# Altium PCB Urukul.PcbDoc (part 12 of 12)
Units mm, origin at the board's own origin, x right, y up, seen from the top; angles counter-clockwise.
Board outline 160.99 x 100 mm, 6 copper layers (L1, P2, L3, L4, P5, L6), stack 1.648 mm thick; 971 components, 541 nets, 3373 pads, 2358 vias.
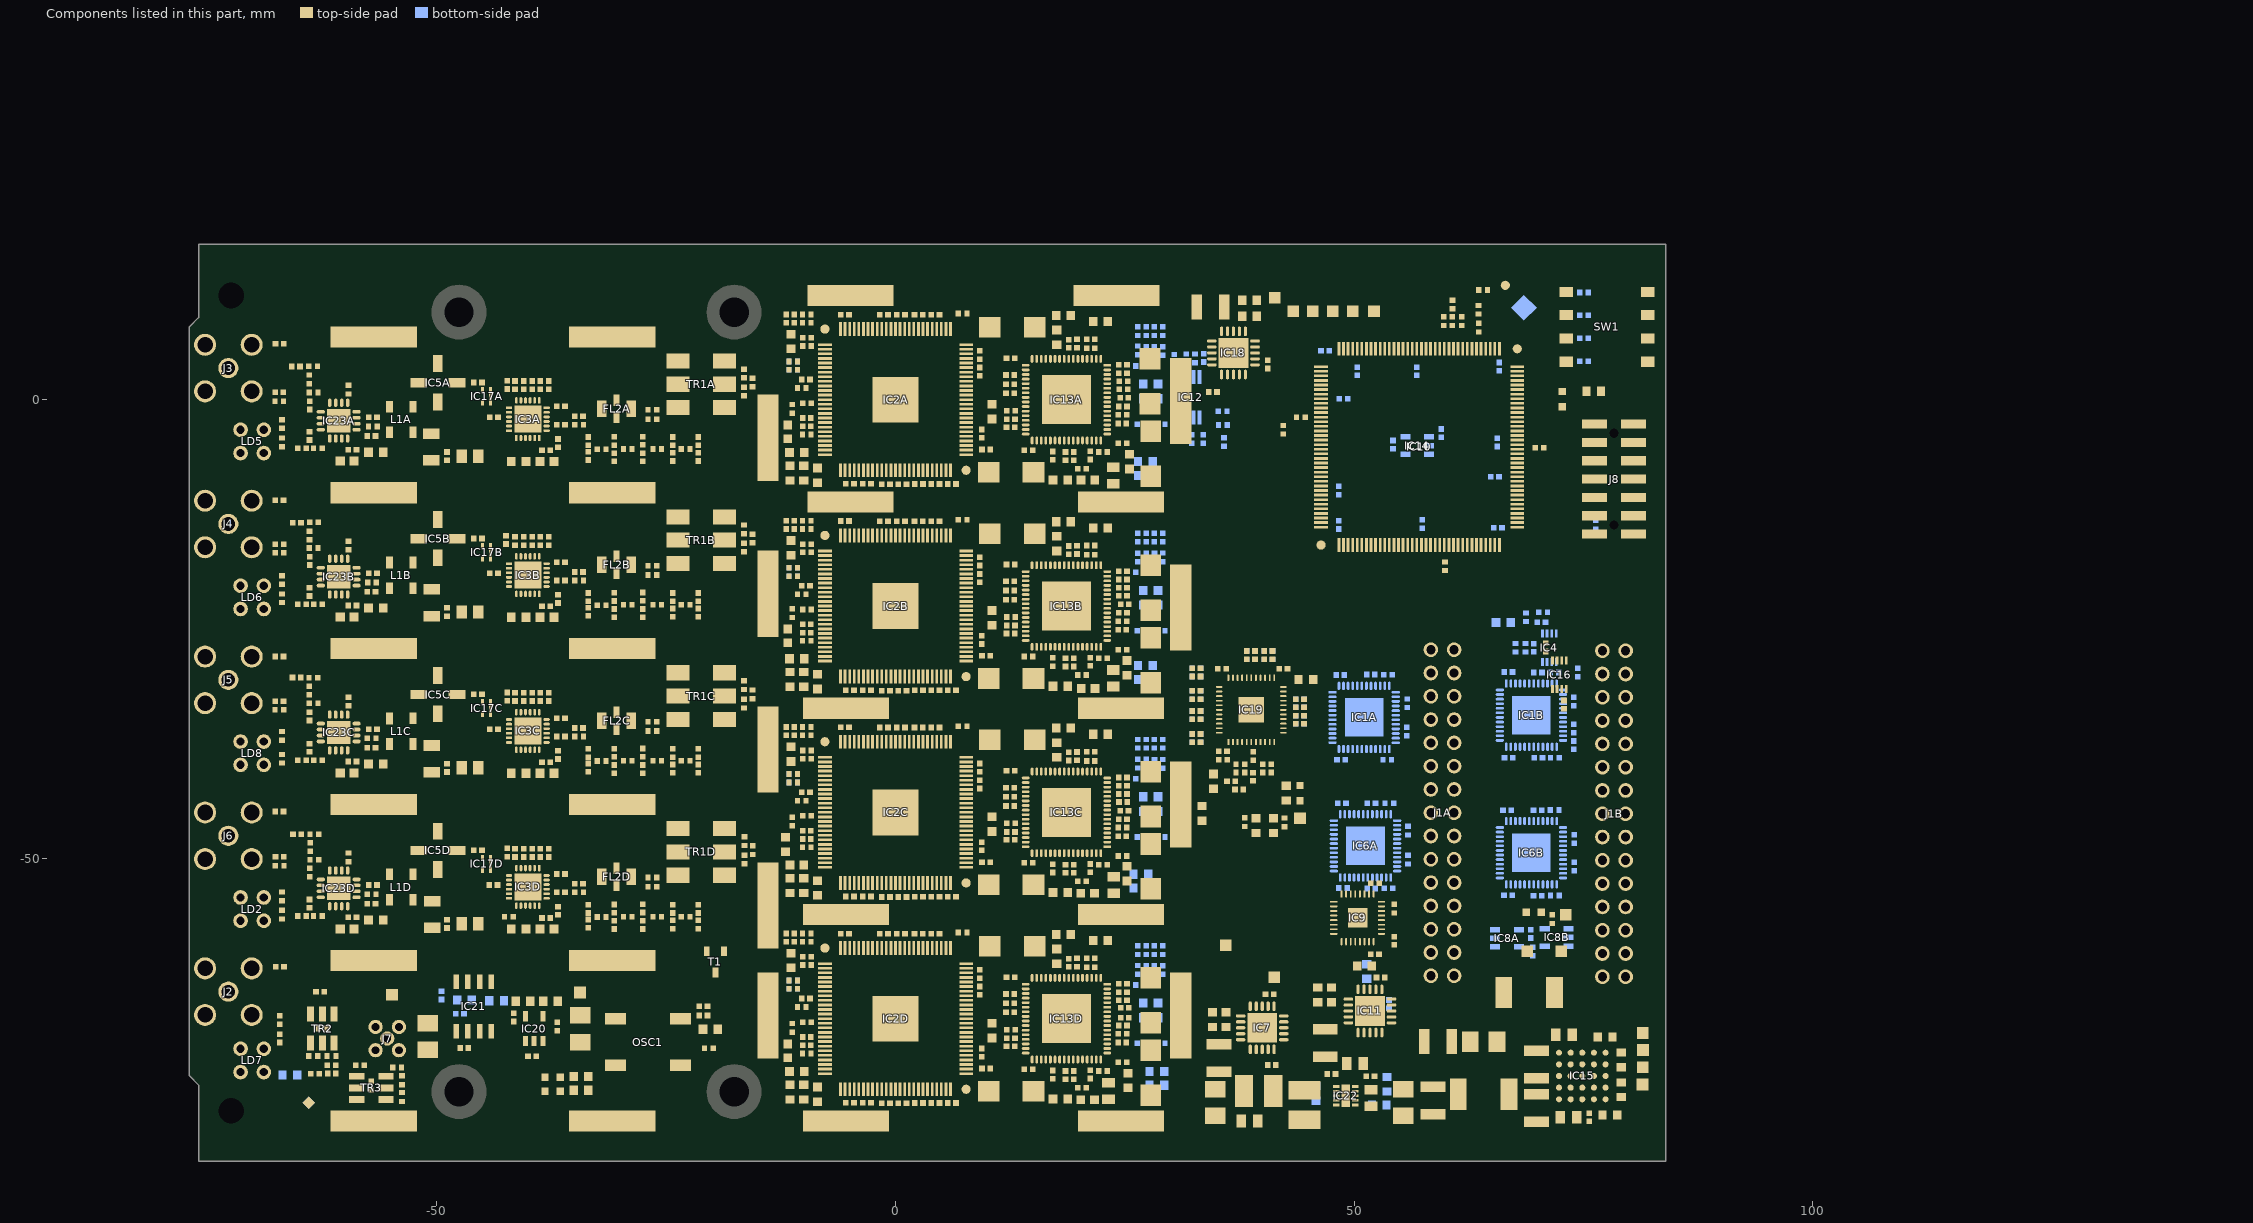
[diagram p16: the components of this part, seen from the top]

## Other copper (continued)
L6:
  rectangle net P3V3: 60.047,-5.95 60.83,-2.768
  rectangle net LVDS1B_P: 72.209,-32.786 72.463,-32.532
  rectangle net EEM1_2: 66.138,-35.758 66.596,-35.153
  rectangle net EEM0_4: 46.89,-46.403 47.06,-45.805
  rectangle net EEM0_5: 46.949,-47.961 47.241,-47.403
  rectangle net EEM0_4: 46.89,-46.403 47.241,-45.74
  rectangle net EEM0_6: 48.13,-50.007 48.79,-49.403
  rectangle net EEM0_3: 46.89,-37.318 47.393,-36.901
  rectangle net S1A: 27.175,5.898 27.556,6.828
  rectangle net S4A: 27.988,5.897 28.394,6.863
  rectangle net S3A: 28.877,5.974 29.359,6.816
  rectangle net S1B: 27.124,-16.623 27.581,-15.641
  rectangle net S4B: 28.013,-16.53 28.47,-15.666
  rectangle net S3B: 28.927,-16.603 29.334,-15.666
  rectangle net S1D: 27.124,-61.616 27.556,-60.701
  rectangle net S4D: 28.013,-61.653 28.225,-60.701
  rectangle net S3D: 28.978,-61.653 29.359,-60.701
  rectangle net DAC_OUTRD_N: 21.282,-63.539 21.514,-63.495
  rectangle net DAC_OUTRD_P: 21.89,-63.745 22.007,-63.469
  rectangle net P3V3: 52.346,-30.576 52.676,-30.246
  rectangle net GND: 72.006,-79.751 73.301,-79.293
  rectangle net P3V3: 66.088,4.298 66.25,4.597
  rectangle net P3V3: 70.583,-45.207 70.812,-44.886
  rectangle net P3V3: 70.6,-53.953 70.787,-53.665
  rectangle net NetC73_2: 71.777,-75.915 72.488,-75.356
  rectangle net GND: -2.9,-4.153 4.6,2.847
  rectangle net GND: -2.9,-26.653 4.6,-19.653
  rectangle net GND: -2.9,-49.153 4.6,-42.153
  rectangle net GND: -2.9,-71.653 4.6,-64.653
  rectangle net GND: 16.256,-2.54 21.082,2.286
  rectangle net GND: 16.256,-25.04 21.082,-20.214
  rectangle net GND: 16.256,-47.54 21.082,-42.714
  rectangle net GND: 16.256,-70.04 21.082,-65.214
  rectangle net P1V8A: 50.19,-63.678 50.749,-62.992
P2 (plane layer: these items are gaps in the copper):
  lines w0.254: 23.75,-59.803 24,-60.053 29.5,-60.053 29.75,-59.803 29.75,6.697 31.5,8.447 31.5,9.697 31.5,9.947 30.75,10.697 25,10.697 23.75,9.447 23.75,-59.803

## Silkscreen, mask and mechanical layers (free items; w line width, h text height)
Top Overlay:
  drawing of 1251 lines, arcs and shapes, not listed
  text "AD9910" at 57.807,12.552 h0.89
  text "P1V8A" at 39.637,12.33 h0.76
  text "TP4" at 51.067,11.009 h0.76
  text "TP2" at 46.571,10.933 h0.76
  text "TP0" at 42.507,10.856 h0.76
  text "RF OUT 0" at -68.44,8.139 h0.76
  text "TP3" at 48.857,7.707 h0.76
  text "TP1" at 44.641,7.605 h0.76
  text "MODE" at 71.844,6.869 h0.76 r90
  text "P3V3_MP" at 71.895,-2.707 h0.76 r90
  text "RF OUT 1" at -68.415,-8.854 h0.76
  text "JTAG" at 73.597,-11.216 h1.52 r90
  text "Urukul v1.1" at 33.782,-19.75 h1.5
  text "EEM 1" at 74.943,-19.954 h1.52
  text "EEM 0" at 61.036,-21.438 h1.52
  text "WUT ISE 2018" at 34.849,-22.606 h1.02
  text "RF OUT 2" at -68.516,-25.872 h0.76
  text "RF OUT 3" at -69.151,-42.865 h0.76
  text "MMCX" at 37.859,-43.906 h0.76
  text "INT" at 34.963,-44.363 h0.76
  text "CLK" at 38.342,-44.922 h0.76
  text "OSC" at 34.887,-45.481 h0.76
  text "P3V3" at 45.352,-45.989 h0.76
  text "P12V0" at 69.558,-54.98 h0.76
  text "P3V3_MP" at 69.203,-58.562 h0.76
  text "P3V3A" at 37.63,-59.597 h0.76
  text "EXT CLK IN" at -69.329,-59.984 h0.76
  text "P2V0" at 64.707,-60.441 h0.76
  text "P3V6" at 39.776,-61.519 h0.76
  text "P5V0" at -38.366,-64.15 h0.76
  text "P7V0" at -58.991,-65.242 h0.76
  text "INT CLK IN" at -59.652,-67.325 h0.76
  text "TP8" at 83.591,-69.291 h0.76 r90
  text "TP6" at 83.617,-71.933 h0.76 r90
  text "P5V0A" at -43.167,-74.157 h0.76
  text "TP7" at 83.642,-74.422 h0.76 r90
  text "P3V6" at -42.684,-75.631 h0.76
  text "TP5" at 80.95,-77.419 h0.76
Bottom Overlay:
  drawing of 1237 lines, arcs and shapes, not listed
  text "Urukul v1.1" at 47.49,-17.583 h1.5
Bottom Paste:
  drawing of 164 lines, arcs and shapes, not listed
Bottom Solder:
  rectangle: -2.9,-4.153 4.6,2.847
  rectangle: -2.9,-26.653 4.6,-19.653
  rectangle: -2.9,-49.153 4.6,-42.153
  rectangle: -2.9,-71.653 4.6,-64.653
  rectangle: 16.256,-2.54 21.082,2.286
  rectangle: 16.256,-25.04 21.082,-20.214
  rectangle: 16.256,-47.54 21.082,-42.714
  rectangle: 16.256,-70.04 21.082,-65.214
Mechanical 1:
  lines w0.1: -77,-73.733 -76,-74.733 -76,-83.053 83.995,-83.053 83.995,16.947 -76,16.947 -76,8.947 -77,7.947 -77,0.972 -77,-73.733
Mechanical 2:
  lines w0.1: -78.544,-97.291 -78.544,25.391
SHIELD:
  lines w1: -65.9,-60.153 -65.9,-78.153 -65.9,-78.653 -13.9,-78.653 ; 31.137,-11.197 31.137,11.347 -13.9,11.347 -13.9,-11.153 ; -65.9,-44.153 -65.9,-27.153 ; -65.9,-44.153 -13.9,-44.153 ; -65.9,-44.153 -65.9,-61.153 -13.9,-61.153 ; -65.9,-27.153 -65.9,-10.153 ; -65.9,-27.153 -13.9,-27.153 ; -65.9,-10.153 -13.9,-10.153 ; -65.9,-10.153 -65.9,6.847 -52.9,6.847 -13.9,6.847 -13.9,-10.153 ; -13.9,-78.653 31.1,-78.653 31.1,-11.153 ; -13.9,-78.653 -13.9,-61.153 ; -13.9,-78.653 -13.9,-78.653 ; -13.9,-61.153 -13.9,-44.153 ; -13.9,-44.153 -13.9,-27.153 ; -13.9,-27.153 -13.9,-10.153 ; -13.9,-11.153 31.1,-11.153 ; -13.9,-11.153 31.1,-11.153 ; -13.9,-56.153 31.1,-56.153 -13.9,-56.153 ; -13.9,-33.653 31.1,-33.653 -13.9,-33.653
Mechanical 13:
  lines w0.01: -79.35,-83.836 -79.35,-2.129

## Text inside footprints (layer, text, board x,y; h text height)
FL2A: Drill Drawing "Filled and" at -28.025,-1.203 h0.5 r180; Drill Drawing "capped via" at -27.975,-0.453 h0.5 r180
FL2B: Drill Drawing "Filled and" at -28.025,-18.203 h0.5 r180; Drill Drawing "capped via" at -27.975,-17.453 h0.5 r180
FL2C: Drill Drawing "Filled and" at -28.025,-35.203 h0.5 r180; Drill Drawing "capped via" at -27.975,-34.453 h0.5 r180
FL2D: Drill Drawing "Filled and" at -28.025,-52.203 h0.5 r180; Drill Drawing "capped via" at -27.975,-51.453 h0.5 r180
J1A: Top Overlay "30" at 62.314,-62.187 h1.02 r270; Mechanical 14 "30" at 62.314,-62.187 h1.02 r270
J1B: Top Overlay "30" at 81.017,-62.298 h1.02 r270; Mechanical 14 "30" at 81.017,-62.298 h1.02 r270
LD2: Top Overlay "B" at -69.661,-55.934 h1 r90; Top Overlay "A" at -72.201,-55.934 h1 r90; Mechanical 14 "B" at -69.661,-55.934 h1 r90; Mechanical 14 "A" at -72.201,-55.934 h1 r90
LD5: Top Overlay "B" at -69.661,-4.934 h1 r90; Top Overlay "A" at -72.201,-4.934 h1 r90; Mechanical 14 "B" at -69.661,-4.934 h1 r90; Mechanical 14 "A" at -72.201,-4.934 h1 r90
LD6: Top Overlay "B" at -69.661,-21.934 h1 r90; Top Overlay "A" at -72.201,-21.934 h1 r90; Mechanical 14 "B" at -69.661,-21.934 h1 r90; Mechanical 14 "A" at -72.201,-21.934 h1 r90
LD7: Top Overlay "B" at -69.661,-72.434 h1 r90; Top Overlay "A" at -72.201,-72.434 h1 r90; Mechanical 14 "B" at -69.661,-72.434 h1 r90; Mechanical 14 "A" at -72.201,-72.434 h1 r90
LD8: Top Overlay "B" at -69.661,-38.934 h1 r90; Top Overlay "A" at -72.201,-38.934 h1 r90; Mechanical 14 "B" at -69.661,-38.934 h1 r90; Mechanical 14 "A" at -72.201,-38.934 h1 r90
SW1: Top Overlay "4" at 80.247,11.371 h1 r90; Top Overlay "3" at 80.247,8.831 h1 r90; Top Overlay "ON" at 75.802,3.243 h1 r90; Top Overlay "2" at 80.247,6.291 h1 r90; Top Overlay "1" at 80.247,4.005 h1 r90; Mechanical 14 "4" at 80.247,11.371 h1 r90; Mechanical 14 "3" at 80.247,8.831 h1 r90; Mechanical 14 "ON" at 75.802,3.243 h1 r90; Mechanical 14 "2" at 80.247,6.291 h1 r90; Mechanical 14 "1" at 80.247,4.005 h1 r90